# KiCad board TRS80IJP_1.kicad_pcb (continued)
## Routing (per net, layer and track width the routed paths; a pad name or vN(x,y) marks a point on that pad's centre or on a via; arc(x,y) is an arc through that point) (continued)
  Bottom w0.25: v1(135.77,118.98) 135.82,118.93 v1(135.82,92.6) ; v1(100.84,121.14) 98.47,123.51 98.47,123.53 98.42,123.58 72.47,123.57 JP10.1 ; v1(177.58,81.21) 176.6,80.23 176.6,71.88 174.28,69.56 174.28,69.02 174.29,69.01 174.29,57.44 173.51,56.66 v1(173.51,50.36)
Net-(JP10-Pin_2): length 18.9
  Top w0.25: Z5.4 59.33,115.47 v1(59.44,115.47)
  Bottom w0.25: v1(59.44,115.47) 58.07,116.84 58.07,120.82 JP10.2
  Bottom w1.5: 61.19,126.48 JP10.2
Net-(Q1-B): length 27.6
  Bottom w1.5: R10.2 R9.2 45.02,134.17 R8.1 45.02,144.62 39.77,149.87 39.77,151.24 Q1.3
Net-(Q1-C): length 19.1
  Bottom w1.5: Q1.2 37.21,149.36 34.75,149.36 34.76,149.35 C3.1 C4.1
Net-(Q1-E): length 19.7
  Bottom w1.5: J2.4 38.58,169.39 38.58,161 38.56,160.98 37.69,160.39 34.67,158.44 Q1.1 34.72,156.98 R6.1
Net-(Q2-B): length 13.8
  Bottom w1.5: C43.1 45.08,129.01 R11.2 40.38,129.07 39.82,128.51 Q2.3
Net-(Q2-C): length 10.1
  Bottom w1.5: R10.1 37.27,131.63 37.28,131.62 Q2.2
Net-(Q3-B): length 168.9
  Bottom w1.5: 159.34,164.25 159.34,151.46 160.54,150.26 219.79,150.26 220.93,151.4 241.34,177.29 245.42,177.39 249.43,173.38 249.43,164.42 253.28,160.57 253.28,143.22 253.43,143.07 Z1.10 ; 159.34,164.25 157.81,165.78 R14.1 158.08,165.78 159.34,167.04 ; 159.34,164.25 159.34,167.04 ; 159.3,174.44 159.3,171.43 159.34,171.39 159.34,167.04
Net-(Q3-C): length 108
  Bottom w1.5: 164.56,154.09 162.93,155.72 162.93,168.53 163.84,169.44 R13.1 164.03,169.44 161.84,171.63
  Bottom w2: Q4.1 212.77,152.62 166.03,152.62 164.56,154.09 162.94,154.09 161.85,155.16 161.8,167.97 161.84,169.48 161.84,174.44
Net-(Q3-E): length 89.4
  Bottom w1.5: Q4.3 212.01,171.64 210.52,173.14
  Bottom w2: 166.83,164.16 R14.2 172.81,165.78 173.19,165.41 ; 166.83,164.16 167.22,164.16 167.61,164.55 171.5,164.55 ; 166.83,164.16 166.83,163.24 R15.2 172.83,163.21 173.19,162.86 ; 173.19,162.86 173.19,165.41 ; 173.19,162.86 R16.1 ; 173.19,165.41 173.19,174.33 173.3,174.44 ; 173.3,174.44 209.17,174.19 211.86,172.08 ; 173.3,174.44 164.38,174.44
Net-(Q4-E): length 208.5
  Bottom w1.5: 154.01,178.51 104.06,178.51 103.33,177.78 103.33,139.55 102.88,139.1 C10.1 S1.7 S1.6 ; 154.01,178.51 154.26,178.26 R13.2 ; 154.01,178.51 219.01,178.51 219.12,178.4 219.12,168.15 208.28,157.31 Q4.2
Net-(Q5-B): length 12.7
  Bottom w1.5: R20.2 259.78,168.29 259.8,168.31 260.79,167.32 260.79,163.99 262.6,162.18 Q5.3
Net-(Q5-C): length 8.2
  Bottom w1.5: Q5.2 260.06,161.08 258.24,162.9 258.24,165.78 257.11,165.78 R21.1
Net-(Q5-E): length 43.4
  Top w1.5: Z1.5 250.31,143.07 250.32,143.08 250.32,155.19 254.82,157.85 Q5.1
  Bottom w1.5: R17.2 252.88,177.05 254.54,175.39 254.52,175.39 254.52,162.9 257.52,159.9 Q5.1
Net-(Q6-B): length 24.7
  Bottom w1.5: Z2.11 273.33,145.63 275.92,143.03 R28.1 Q6.1
Net-(Q6-C): length 67.7
  Bottom w1: 275.9,140.44 275.47,140.44 274.96,140.95 273.98,141.97 273.3,142.61 Z2.10
  Bottom w1.5: 296.42,138.33 297.07,138.34 R29.1 301.15,140.71 303.75,140.72 314.64,140.8 R30.2 ; 296.42,138.33 294.25,138.32 ; 296.42,138.33 295.33,139.42 Q6.3 295.33,139.4 294.25,138.32 ; 294.25,138.32 286.7,138.26 284.79,140.37 284.72,140.44 275.9,140.44
Net-(Q6-E): length 353.3
  Bottom w2: Z2.12 274.69,148.17 274.7,148.17 274.7,149.68 275.87,151.17 296.72,151.29 ; Q6.2 297.87,150.09 299.09,151.31 ; Q6.2 R28.2 ; Q6.2 297.87,150.14 296.72,151.29 ; 299.09,151.31 296.72,151.29 ; 299.09,151.31 314.33,151.4 326.01,159.55 326.01,169.16 323.81,171.36 306.74,171.36 306.69,171.41 306.69,182.47 306.55,182.61 99.72,182.61 99.24,182.13 99.31,182.06 C9.1 99.31,161.93 99.32,161.92 99.32,154.86 99.31,154.87 S1.5
Net-(R17-Pad1): length 11.4
  Bottom w1.5: R24.1 257.14,179.59 R17.1
Net-(R17-Pad3): length 13.5
  Top w1.5: R18.2 250.05,173.33 249.38,174 249.38,179.54 R17.3
Net-(R23-Pad1): length 11.5
  Bottom w1.5: R25.1 265.72,170.93 266.1,171.31 266.1,179.5 R23.1
Net-(R23-Pad3): length 13.2
  Bottom w1.5: R26.2 271.93,168.44 271.18,169.19 271.18,179.5 R23.3
Net-(R54-Pad2): length 4.7
  Bottom w0.25: R54.2 294.05,53.81 292.57,52.87
Net-(R56-Pad1): length 20.1
  Top w0.25: v1(12.88,14.55) 14.65,13.97 R56.1 Y1.1
  Bottom w0.25: Z50.5 12.47,22.85 12.54,22.78 12.63,15.75 v1(12.88,14.55)
Net-(R57-Pad2): length 35.2
  Top w0.25: 20.44,9.49 18.75,9.45 18.16,8.64 12.97,8.64 10.94,10.67 R57.2
  Bottom w0.25: R57.2 6.04,11.06 5.56,11.06 4.32,12.3 4.32,17.86 7.25,20.79 7.25,25.43 Z50.4
Net-(S2-B): length 16.6
  Bottom w1.5: 390.06,149.15 390.06,145.95 394.61,141.39 R32.1
Net-(Z1--): length 30.9
  Top w0.25: 244.39,145.61 C11.1
  Top w1.5: R19.1 243.43,168.57 243.77,146.45 244.39,145.61 Z1.4
Net-(Z1-FC): length 30.5
  Top w1.8: Z1.13 253.17,150.69 252.83,150.35 252.83,138.74 250.11,136.02 244.94,136.02 244.39,136.57 v1(244.39,137.09)
  Bottom w1.8: C11.2 v1(244.39,137.09)
Net-(Z1-ILIM): length 130.3
  Top w1.5: R21.2 246.84,165.76 245.71,164.63 245.71,150.97 246.02,150.66 246.05,150.69 Z1.2
  Bottom w1.5: R15.1 156.7,149.5 157.96,148.24 220.17,148.24 227.43,155.5 227.43,156.9 236.33,165.8 R21.2
Net-(Z1-VREF): length 42.2
  Top w1.5: R18.1 245.97,173.27 241.32,170.09 241.32,141.44 242.23,140.53 Z1.6
Net-(Z2-+): length 12.4
  Top w1.5: R22.1 260.26,144.02 Z2.5
Net-(Z2--): length 49.5
  Top w0.25: Z2.4 268.21,145.63 269.4,146.82 276.08,146.82 276.24,146.81 276.3,146.76 277.34,145.72
  Top w1.5: R23.2 266.79,174.8 266.78,174.31 266.75,158.74 262.55,154.54 262.55,145.67 Z2.4
Net-(Z2-FC): length 5.5
  Top w1.5: Z2.13 277.33,148.57
Net-(Z2-ILIM): length 58.3
  Top w1.5: R29.2 286.4,140.48 285.54,140.5 284.6,142.1 284.6,143.26 284.64,143.3 284.64,150.53 279.82,155.35 271.04,155.35 266.4,150.71 Z2.2
  Bottom w1.5: R27.2 266.14,163.04 266.25,162.72 266.26,159.47 262.55,155.76 262.55,151.45 263.3,150.71 Z2.2
Net-(Z2-VREF): length 4.6
  Bottom w1.5: R22.2 Z2.6
Net-(Z3-Pin_3): length 29.1
  Top w0.25: R9.1 34.74,134.03 32.56,134.03 32.55,134.04 v1(27.16,134.04)
  Bottom w0.25: Z3.3 27.18,116.53 27.18,134.02 v1(27.16,134.04)
Net-(Z4-Q3): length 52
  Top w0.25: v1(16.95,117.64) 25.98,117.64 28.57,115.05 33.36,115.05 34.5,113.91 37.28,113.91 38.54,115.17 46.3,115.17 46.3,115.18 Z4.15
  Bottom w0.25: v1(16.95,117.64) 17.02,117.64 17.58,118.2 17.58,132.3 15.72,134.16 R3.2
Net-(Z4-~{Mr}): length 12.2
  Top w0.25: Z4.1 v1(36.11,116.32)
  Bottom w0.25: R40.1 36.11,108.83 36.11,109.6 36.1,109.61 36.1,109.96 36.11,109.97 v1(36.11,116.32)
Net-(Z4-~{Q2}): length 58.2
  Top w0.25: Z4.11 46.22,107.48 38.06,107.48 37.77,107.19 17.94,107.19 v1(15.68,109.45)
  Bottom w0.25: v1(15.68,109.45) 14.41,110.72 14.41,110.77 14.37,110.81 R5.1 14.78,126.61 16.39,128.22 16.39,130.06 15.21,131.24 14.73,131.24 R4.2
Net-(Z6-CP1..3): length 112.9
  Top w0.25: v1(75.48,118.78) 75.35,118.91 Z6.1 65.81,118.91 64.59,117.69 61.9,117.69 60.5,119.09 58.34,119.09 56.84,117.59 53.74,117.59 52.59,118.74 v1(52.59,118.84) ; v1(51.68,61.74) 43.86,61.74 43.55,62.05 41.72,62.05 41.39,61.72 37.52,61.72 36.29,60.49 Z31.13
  Bottom w0.25: v1(52.59,118.84) 53.34,118.09 53.34,108.97 53.35,108.96 53.35,105.4 52.93,104.98 52.93,104.3 52.72,104.09 52.72,92.14 53.38,91.48 53.38,85.05 49.76,81.43 49.76,72.88 48.88,72 48.88,67.21 51.68,64.41 v1(51.68,61.74) ; Z6.12 77.13,113.83 76.42,114.54 76.42,117.84 v1(75.48,118.78)
Net-(Z7-R0(1)): length 60.8
  Top w0.25: v1(80.95,96.7) 80.93,96.72 60.01,96.72 v1(59.37,96.08)
  Bottom w0.25: v1(80.95,96.7) 80.95,97.77 81.55,98.37 81.55,109.95 Z7.3 ; Z26.10 61.42,80.79 60.27,81.94 60.29,88.91 60.29,89.78 59.38,90.69 59.38,96.07 v1(59.37,96.08)
  Bottom w1.5: Z7.2 Z7.3
Net-(Z12-A->B): length 67.3
  Top w0.25: v1(166.86,57.99) 166.99,57.86 Z40.11
  Bottom w0.25: Z12.1 161.24,115.85 161.24,111.09 161.55,110.78 161.55,99.73 161.56,99.72 161.56,93.87 165.37,90.06 165.37,69.75 165.36,69.74 165.36,68.46 167.68,66.14 167.68,58.81 v1(166.86,57.99)
Net-(Z12-CE): length 251.3
  Top w0.25: v1(34.49,28.74) 29.64,28.74 28.41,29.97 Z51.3
  Bottom w0.25: v1(34.49,28.74) 34.49,40.91 37.94,44.36 37.94,50.91 37.39,51.46 37.39,63.01 35.44,64.96 35.44,71.91 37.93,74.4 37.93,120.39 39.17,121.63 41.49,121.63 46.87,127.01 52.78,127.01 56.68,130.91 76.08,130.91 77.99,129 78.29,129 78.31,129.02 109.38,129.02 111.2,127.2 161.96,127.2 168.93,120.23 168.93,116.8 Z12.19
Net-(Z13-Za): length 27.5
  Top w0.25: Z13.4 180.9,110.01 182.23,108.68 193.62,108.68 196.05,106.25 201.08,106.25 201.52,106.71 202.26,107.45 R105.1
Net-(Z13-Zb): length 26.5
  Top w0.25: Z13.7 179.88,102.39 181,103.52 200.78,103.52 202.11,104.85 R106.1
Net-(Z13-Zc): length 45.2
  Top w0.25: Z13.9 187.24,97.3 207.56,97.3 v1(207.57,97.29)
  Bottom w0.25: R102.1 204.84,114.97 204.85,114.98 207.57,112.26 v1(207.57,97.29)
Net-(Z14-Za): length 12.5
  Top w0.25: R104.1 201.45,110.05 200.19,108.79 195.56,108.79 194.34,110.01 Z14.4
Net-(Z14-Zb): length 12.5
  Top w0.25: R107.1 202.15,101.93 201.89,101.93 201.15,101.19 196.23,101.19 195.03,102.39 Z14.7
Net-(Z14-Zc): length 3.9
  Top w0.25: R108.1 202.6,99.84 201.14,99.85 Z14.9
Net-(Z14-Zd): length 17.2
  Top w0.25: Z14.12 200.25,107.47 201.39,108.61 205.25,108.61 v1(206.36,107.5)
  Bottom w0.25: v1(206.36,107.5) 206.5,107.64 206.5,111.52 205.65,112.37 204.22,112.37 204.18,112.33 202.67,112.33 202.5,112.5 R103.1
Net-(Z15-Pin_3): length 136
  Top w0.25: Z15.3 219.17,112.55 220.44,111.28 226.61,111.28 227.88,112.55 Z16.3 234.9,112.55 236.03,111.42 240.81,111.42 241.94,112.55 Z17.3 245.71,112.55 246.89,111.37 252.01,111.37 253.19,112.55 Z18.3 257.02,112.55 257.08,112.54 258.35,111.42 264.68,111.42 265.81,112.55 Z19.3 272.8,112.55 273.97,111.38 279.67,111.38 280.84,112.55 Z20.3 287.38,112.55 288.61,111.32 293.53,111.32 294.76,112.55 300.92,112.55 300.93,112.56 302.24,111.25 308.57,111.25 309.87,112.55 Z22.3
  Bottom w0.25: Z22.3 309.3,108.83 309.28,87.47 306.32,85.14 305.45,84.31 305.45,83.29 R110.2
Net-(Z15-Pin_4): length 151.3
  Top w0.25: Z15.4 218.88,110.01 220.16,108.73 226.76,108.73 228.04,110.01 Z16.4 234.7,110.01 235.97,108.74 241.08,108.74 242.35,110.01 Z17.4 245.73,110.01 247.05,108.69 252.38,108.69 253.7,110.01 Z18.4 257.07,110.01 258.4,108.68 265.16,108.68 266.49,110.01 Z19.4 272.42,110.01 273.62,108.81 280.27,108.81 281.47,110.01 Z20.4 286.9,110.01 288.18,108.73 293.99,108.73 295.27,110.01 301.1,110.01 302.36,108.75 308.87,108.75 310.28,110.16 312.87,110.16 Z22.4
  Bottom w0.25: Z20.4 283.43,109.62 283.11,109.62 281.96,108.47 281.96,108.02 281.98,108 281.98,99.61 281.64,99.27 281.64,91.03 283.16,89.51 283.16,77.5 281.98,76.32 281.98,65.84 281.52,65.38 281.27,65.38
Net-(Z15-Pin_15): length 118
  Top w0.25: R101.2 214.67,115.36 214.67,114.64 215.49,113.82 219.06,113.82 220.35,115.11 220.37,115.09 Z15.15 226.91,115.09 228.1,113.9 235.14,113.9 236.33,115.09 Z16.15 240.79,115.09 242.09,113.79 245.47,113.79 246.77,115.09 Z17.15 252.22,115.09 253.46,113.85 256.85,113.85 258.09,115.09 Z18.15 265.12,115.09 266.38,113.83 271.76,113.83 273.02,115.09 Z19.15 279.61,115.09 280.91,113.79 285.92,113.79 287.22,115.09 Z20.15 294.04,115.09 295.43,113.7 301.22,113.7 302.66,115.14 302.82,115.13 305.35,115.09 310.22,115.09 311.52,116.39 318.83,116.39 320.13,115.09 Z22.15
Net-(Z25-VCC): length 20.7
  Bottom w1.5: C19.1 25.81,103.55 27.47,101.89 31.92,97.23 ; 31.92,97.23 33.08,96.07 33.47,96.07 32.22,94.82 32.22,94.62 32.11,94.51 32.11,93.22 ; 31.92,97.23 32.11,97.04 32.11,93.22 ; 32.11,93.22 Z25.14
Net-(Z26-Pad1): length 16.5
  Bottom w0.25: Z26.1 55.05,91.26 53.63,92.68 53.63,104.69 Z5.6
Net-(Z26-Pad11): length 32.1
  Bottom w0.25: Z5.12 60.77,111.83 60.77,91.85 61.21,91.41 61.21,84.79 Z26.11
Net-(Z26-Pad13): length 17.3
  Bottom w0.25: Z26.13 65.16,90.9 65.16,101.28 Z5.8
Net-(Z27-I0c): length 101.4
  Top w0.25: v1(81.3,61.6) 81.3,61.46 79,59.16 76.73,59.16 76.64,59.08 68.05,59.08 68.04,59.07 67.63,59.48 65.53,59.48 65.22,59.17 61.34,59.17 60.97,59.54 59.29,59.54 58.95,59.2 46.94,59.2 46.02,58.28 46.02,57.79 45.02,56.79 36.34,56.79 35.18,57.95 Z31.12
  Bottom w0.25: Z6.9 79.78,104.37 79.78,99.37 78.47,98.06 78.47,95.2 79.9,93.77 79.9,83.18 79.4,82.68 79.4,79.56 Z27.11 79.47,76.69 79.47,72.09 79.26,71.88 79.26,67.76 81.3,65.72 v1(81.3,61.6)
Net-(Z27-I1b): length 38.5
  Top w0.25: Z27.6 72.69,78.16 73.02,77.82 74.5,77.82 74.53,77.85 74.57,77.85 76.85,75.57 77.95,75.57 Z27.10
  Bottom w0.25: Z27.10 76.31,77.31 76.31,88.92 75.86,89.37 75.86,96.82 77.94,98.9 Z6.8
Net-(Z27-Zd): length 258.5
  Top w0.25: v1(65.53,84.64) 71.79,84.64 73.09,83.34 73.09,81.6 74.25,80.44 76.14,80.44 76.58,80.88 77.82,80.88 Z27.12 ; v1(221.36,44.78) 220.19,45.95 218.57,45.95 216.78,44.16 205.54,44.16 204.45,45.25 180.28,45.25 178.59,43.56 174.22,43.56 173.65,42.99 171.23,42.99 170.51,43.71 169.1,43.71 167.42,45.39 164.23,45.39 159.15,40.31 153.61,40.31 152.21,41.71 148.47,41.71 v1(147.99,41.23) ; v1(67.22,69.34) 68.02,70.14 73.89,70.14 75.32,68.71 92.29,68.71 93.47,69.89 101.7,69.89 102.67,68.92 107.4,68.92 111.19,72.71 118.61,72.71 123.15,77.25 129.94,77.25 131.41,78.72 133.44,78.72 134.31,77.85 137.54,77.85 139.69,80 149.03,80 151.42,77.61 v1(151.42,75.13)
  Bottom w0.25: v1(221.36,44.78) 222.57,43.57 222.57,33.76 Z62.3 ; v1(65.53,84.64) 66.59,83.58 66.59,81.82 65.15,80.38 65.15,78.82 67.22,76.75 v1(67.22,69.34) ; v1(147.99,41.23) 146.26,42.96 146.26,52.81 145.55,53.52 145.55,64.47 150.82,69.74 150.82,71.23 150.26,71.79 150.26,73.97 v1(151.42,75.13)
Net-(Z28-R0(1)): length 28.5
  Top w0.25: Z26.12 63.55,85.87 67.35,89.66 72.41,89.66 72.7,89.95 76.05,89.95 76.4,89.6 80.59,89.6 81.43,90.44 83.64,90.44 84.68,89.4 84.68,89.26 Z28.2
  Bottom w1: Z28.3 Z28.2
Net-(Z29-I1b): length 41.3
  Top w0.25: v1(121.22,81.87) 112.58,81.87 111.13,83.33 Z29.13 ; 100.86,78.25 103.61,78.25 104.94,76.91 109.63,76.91 112.2,74.34 112.2,74.33 112.23,74.3 116.56,74.3 116.67,74.41 R48.2
  Bottom w0.25: R48.2 117.45,75.49 118.07,76.11 118.06,76.12 118.06,79.83 120.1,81.87 v1(121.22,81.87)
Net-(Z30-I1): length 100.2
  Top w0.25: Z67.3 304.34,32.45 305.75,33.87 309.78,33.87 309.83,33.92 312.35,33.92 313.08,33.19 317.17,33.19 318.03,32.33 318.05,32.35 325.54,32.35 v1(325.67,32.21)
  Bottom w0.25: v1(325.67,32.21) 330.07,39 330.07,68.7 327.99,70.31 328.15,74.5 332.78,79.02 334.53,80.72 342.1,80.83 342.95,81.68 342.95,84.39 344.09,85.53 344.09,89.32 344.04,89.37 344.04,89.95 344.94,90.86 346.13,90.86
Net-(Z30-I2): length 85.1
  Top w0.25: Z67.11 316.13,29.91 316.58,29.46 317.59,29.46 317.94,29.81 322.97,29.81 v1(323.12,29.65)
  Bottom w0.25: v1(323.12,29.65) 325.71,30.52 331.21,37.82 330.94,65.63 332.99,67.68 338.21,67.68 343.96,73.43 343.96,84.21 345.53,85.78 346.13,85.78
Net-(Z30-I3): length 92.1
  Top w0.25: v1(323.1,24.61) 322.99,24.73 315.62,24.73 315.42,24.75 313.93,26.05 303.94,25.96 303.8,25.96 303.21,25.95 301.48,25.97 Z67.6
  Bottom w0.25: v1(323.1,24.61) 323.12,25.94 323.14,25.97 323.46,26.36 332.17,36.77 331.93,65.23 333.62,66.92 338.87,66.92 344.56,72.61 344.56,79.13 346.13,80.7
Net-(Z30-I4): length 90
  Top w0.25: v1(348.59,78.16) 348.6,78.16 353.75,78.16 ; v1(323.12,22.51) 322.88,22.48 323.09,22.48 v1(323.12,22.51) ; v1(323.12,22.51) 322.41,22.29 Z67.8
  Bottom w0.25: v1(323.12,22.51) 325.35,23.54 325.43,26.46 325.43,26.6 332.94,36.43 332.82,64.96 333.88,66.02 338.85,66.02 348.59,75.76 v1(348.59,78.16)
Net-(Z31-Pad6): length 7.6
  Top w0.25: Z31.9 Z31.6
Net-(Z32-Pad1): length 14.2
  Bottom w0.25: Z32.6 38.26,51.98 38.26,61.55 39.74,63.03 Z32.1
Net-(Z32-Pad2): length 18.2
  Top w0.25: v1(44.92,59.22) 44.79,59.09 41.31,59.09 Z32.2
  Bottom w0.25: Z32.8 44.92,50.4 v1(44.92,59.22)
Net-(Z32-Pad10): length 10.2
  Top w0.25: Z32.4 Z32.11
  Bottom w1.5: Z32.10 Z32.11
Net-(Z33-Pad12): length 28.2
  Bottom w0.25: Z52.13 64.51,34.38 64.51,36.49 62.05,38.95 62.05,45.64 61.13,46.56 61.13,56.27 Z33.12
Net-(Z35-R0(1)): length 65.9
  Top w0.25: Z35.3 85.45,57.72 80.51,57.72 79.4,56.61 76.82,56.61 76.07,55.86 74.24,55.86 73.56,56.54 68.92,56.54 68.77,56.69 67.29,56.69 66.81,56.21 65.3,56.21 64.9,56.61 61.11,56.61 60.24,57.48 v1(60.24,57.85) ; Z26.2 58.82,88.41 v1(58.83,88.39)
  Bottom w0.25: v1(58.83,88.39) 58.83,67.04 61.04,64.83 61.04,58.65 v1(60.24,57.85)
  Bottom w1: Z35.3 Z35.2
Net-(Z39-Za): length 32.1
  Top w0.25: Z58.14 151.18,29.97 v1(150.73,30.42)
  Bottom w0.25: Z58.11 Z58.12 153.98,26.26 153.98,28.6 Z58.14 ; Z39.7 149.79,45.83 149.79,31.36 v1(150.73,30.42)
Net-(Z39-Zb): length 39.1
  Top w0.25: Z58.5 150.25,24.89 150.44,24.7 150.46,24.7 Z58.10
  Bottom w0.25: Z39.9 157.13,43.57 157.13,21.59 Z58.10
  Bottom w1: Z58.5 Z58.4
Net-(Z40-Pad2): length 35.3
  Top w0.25: v1(185.92,59.15) 183.65,56.88 175.72,56.88 173.54,59.06 164.26,59.06 Z40.4
  Bottom w0.25: Z41.8 185.84,59.23 v1(185.92,59.15) ; Z40.2 164.65,61.35 164.65,59.45 Z40.4
Net-(Z40-Pad9): length 39.6
  Top w0.25: v1(187.22,52.9) 187.22,52.62 186.7,52.1 171.92,52.1 171.24,52.78 Z40.9
  Bottom w0.25: v1(187.22,52.9) 186.54,51.75 183.79,47.26 183.76,37.46 184.37,36.85 184.37,34 Z60.12
Net-(Z44-Pad3): length 17.6
  Top w0.25: Z45.3 267.69,60.49 266.28,59.07 261.12,59.07 259.62,57.57 257.56,57.57 254.64,60.49
Net-(Z44-Pad11): length 29.9
  Bottom w0.25: 262.06,32.48 257.92,35.41 257.92,37.56 259.84,39.48 259.84,49.49 260.59,50.24 260.68,50.15 260.68,56.9 261.73,57.95 262.26,57.95
Net-(Z45-Pad1): length 37.4
  Top w0.25: v1(270.73,74.21) 271.34,74.82 277.6,74.82 278.5,73.92 283.99,73.92 v1(284.22,74.15)
  Bottom w0.25: v1(284.22,74.15) 283.48,68.6 283.24,66.98 283.24,62.2 Z46.3 ; v1(270.73,74.21) 270.86,74.08 270.59,72.67 270.28,70.75 269.8,65.57
Net-(Z45-Pad12): length 30.6
  Top w0.25: Z47.3 296.73,60.49 295.36,59.12 291.53,59.12 290.8,59.85 290.8,61.27 290.81,61.27 292.57,63.03 287.87,63.03 286.57,61.73 281.86,61.73 280.43,60.3 280.25,60.49 277.42,60.49
Net-(Z46-Pad2): length 376.4
  Top w0.25: v1(287.42,52.75) 286.23,51.56 283.9,51.56 281.94,49.6 280.09,49.6 279.57,50.12 279.57,50.8 278.92,51.45 260.51,51.45 260.17,51.11 258.14,51.11 255.93,48.9 253.59,48.9 v1(250.65,50.28) ; v1(251.78,11.93) 236.17,11.93 231.35,7.11 220.3,7.11 v1(220.01,7.4) ; v1(26.73,10.21) 35.44,10.21 v1(36.92,8.73) ; v1(133.19,3.34) 131.97,4.56 109.45,4.56 107.58,2.69 96.39,2.69 95.65,3.43 88.06,3.43 86.57,1.94 73.45,1.94 73.06,2.33 37.24,2.33 36.47,3.1 v1(26.72,3.1) ; v1(38.27,31.26) 36.1,31.32 34.04,30.59 Z51.12
  Bottom w0.25: v1(26.72,3.1) 26.72,10.2 v1(26.73,10.21) ; v1(220.01,7.4) 220.01,3.41 218.56,1.96 185.2,1.96 184.61,1.37 135.16,1.37 v1(133.19,3.34) ; v1(36.92,8.73) 36.53,9.12 36.53,14.12 35.51,15.14 35.51,23.97 36.76,25.22 36.76,27.98 38.27,29.49 v1(38.27,31.26) ; v1(287.42,52.75) 287.42,61.54 285.94,63.03 284.95,63.03 ; v1(250.65,50.28) 250.65,44.67 252.71,42.61 252.71,41.63 252.68,41.6 252.68,30.08 253.02,29.74 253.02,26.18 252.66,25.82 252.66,21.77 251.78,20.89 v1(251.78,11.93)
Net-(Z47-Pad12): length 14.1
  Bottom w0.25: 307.86,63.03 Z47.12 309.56,58.79 309.56,52.03 Z47.8
Net-(Z50-Pad10): length 140.8
  Top w0.25: v1(105.83,8.86) 104.49,7.52 98.74,7.52 97.35,8.91 87.32,8.91 86.97,8.56 81.86,8.56 81.26,9.16 73.37,9.16 70.05,5.84 39.56,5.84 38.52,6.88 34.39,6.88 32.94,8.33 26.1,8.33 24.82,9.61 23.25,9.61 20.54,6.9 v1(18.04,6.9) ; v1(106.14,27.42) 106.13,27.43 Z55.4
  Bottom w0.25: v1(18.04,6.9) 18.84,7.7 18.84,24.08 18.03,24.89 Z50.10 ; Z55.12 106.14,27.81 v1(106.14,27.42) 106.14,9.17 v1(105.83,8.86)
Net-(Z52-Pad3): length 2.5
  Bottom w0.25: Z52.4 Z52.3
Net-(Z52-Pad6): length 7.6
  Top w0.25: Z52.6 Z52.9
Net-(Z52-Pad11): length 9.6
  Top w0.25: Z52.11 58.03,27.43 v1(57.41,28.05)
  Bottom w0.25: v1(57.41,28.05) 57.41,27.28 Z52.5
Net-(Z53B-~{R}): length 9.3
  Bottom w0.25: Z53.13 79.7,30.79 79.7,26.86 R66.2
Net-(Z56-Q0): length 9.3
  Top w0.25: Z55.13 108.65,32.51 108.88,32.74 116.05,32.74 116.28,32.51 Z56.2
Net-(Z56-Q1): length 20.3
  Top w0.25: v1(114.74,22.25) 114.64,22.35 Z55.9 ; Z55.10 Z55.5
  Bottom w0.25: Z55.9 Z55.10 ; Z56.7 114.94,22.25 v1(114.74,22.25)
Net-(Z56-~{Q0}): length 18
  Top w0.25: Z56.3 117.1,29.69 111.1,29.69 109.65,31.14 102.05,31.14 Z55.2
Net-(Z56-~{Q2}): length 35.7
  Top w0.25: Z56.11 124.02,22.35 122.83,23.54 115.75,23.54 115.45,23.84 113.81,23.84 113.12,23.15 110.92,23.15 110.42,23.65 v1(103.4,23.65)
  Bottom w0.25: v1(103.4,23.65) 102.87,24.18 102.87,33.57 101.39,35.05 Z55.1
Net-(Z57-Qh): length 49.9
  Top w0.25: Z57.13 140.21,27.43 138.53,25.75 136.04,25.75 135.77,26.02 123.7,26.02 123.1,25.42 120.8,25.42 120.2,26.02 114.92,26.02 114.06,26.88 111.64,26.88 110.93,26.17 107.14,26.17 106.75,25.78 104.46,25.78 104.06,26.18 94.45,26.18 Z54.11
Net-(Z58-Qh): length 64.4
  Top w0.25: Z54.12 93.37,29.8 94.11,29.8 95.89,28.02 98.35,28.02 98.95,28.62 103.9,28.62 104.19,28.91 106.75,28.91 106.99,28.67 120.96,28.67 121.28,28.99 123.28,28.99 123.68,28.59 136.06,28.59 136.34,28.87 138.33,28.87 138.63,28.57 148.8,28.57 149.94,27.43 Z58.13
Net-(Z60-Pad1): length 13.9
  Bottom w0.25: Z60.6 176.83,26.3 176.83,36.25 178.16,37.58 Z60.1
Net-(Z61A-E): length 63.2
  Top w0.25: Z61.1 205.6,37.53 v1(205.51,37.62) ; v1(206.35,31.73) 206.94,31.14 207.11,31.14 207.12,31.15 211.68,31.15 212.05,30.78 214.32,30.78 214.6,31.06 220.3,31.06 222.8,28.56 227.7,28.56 230.26,26 232.95,26 235.54,28.59 240.82,28.59 241.08,28.85 245.03,28.85 245.33,28.55 249.35,28.55 253.28,32.48 254.44,32.48
  Bottom w0.25: v1(205.51,37.62) 205.51,32.57 v1(206.35,31.73)
Net-(Z61A-O3): length 27.4
  Top w0.25: v1(219.71,21.17) 219.51,20.97 213.8,20.97 212.48,22.29 Z61.7
  Bottom w0.25: v1(219.71,21.17) 219.71,25.82 218.4,27.13 218.4,34.17 217.58,34.99 Z61.15
Net-(Z62A-D): length 329.9
  Top w0.25: v1(10.32,8.02) 10.32,7.64 14.12,3.84 19.51,3.84 20.92,5.25 31.78,5.25 32.94,4.09 36.77,4.09 37.53,3.33 70.9,3.33 74.38,6.81 76.54,6.81 79.74,3.61 85.81,3.6 85.81,3.58 87.92,5.45 88.42,5.91 95.74,5.89 97.12,4.42 106.68,4.42 109.27,7.01 117.06,7.01 117.41,6.66 130.76,6.66 132.47,8.37 141.12,8.37 143.64,10.89 159.71,10.89 164.1,6.99 167.47,6.98 169.04,8.55 169.08,12.52 169.51,12.92 170.96,13.79 173.53,15.01 177.94,15 180.57,12.37 180.57,7.33 183.04,4.86 200.17,4.86 200.68,5.37 200.68,9.94 202.01,11.27 223.06,11.27 v1(224.71,9.62) ; Z51.11 28.6,27.43 27.4,28.63 23.16,28.63 22.28,29.51 22.28,30.91 22.3,30.93 21.54,31.69 19.09,31.69 18.55,31.15 v1(6.7,31.15)
  Bottom w0.25: v1(6.7,31.15) 6.61,31.15 5.93,30.47 5.93,21.85 3.16,19.08 3.16,10.83 5.08,8.91 9.43,8.91 v1(10.32,8.02) ; Z62.2 225.69,33.18 225.69,10.6 v1(224.71,9.62)
Net-(Z62B-D): length 66.4
  Top w0.25: Z66.4 281.66,29.91 280.11,28.36 265.79,28.36 263.39,25.96 263.37,25.98 259.48,25.98 258.97,25.47 256.73,25.47 256.18,26.02 252.29,26.02 250.96,24.69 250.82,24.83 Z63.9 241.7,24.83 240.51,26.02 v1(235.5,26.02)
  Bottom w0.25: Z62.12 232.03,32.98 232.19,32.98 233.57,34.36 235.43,34.36 236.15,33.64 236.15,26.67 v1(235.5,26.02)
Net-(Z62B-~{Q}): length 58.7
  Top w0.25: Z62.8 233.05,22.29 233.84,21.5 236.01,21.5 237.98,23.47 263.55,23.47 264.94,22.08 267.21,22.08 268.69,20.6 278.91,20.6 279.68,21.37 279.64,22.95 279.64,22.97 281.5,24.83 Z66.6
Net-(Z62B-~{R}): length 48.4
  Top w0.25: v1(234.3,37.53) Z63.1 244.38,37.53 Z63.13 250.9,34.99 252.14,36.23 v1(259.5,36.23)
  Bottom w0.25: v1(234.3,37.53) 234.04,37.53 Z62.13 ; v1(259.5,36.23) 259.5,37.65 261.28,39.43 261.28,48.86 261.27,48.87 261.27,49.34 262.26,50.33
  Bottom w1: Z63.2 Z63.1
Net-(Z63A-Q): length 11.2
  Top w0.25: Z63.5 243.82,27.37 243.95,27.24 244.05,27.24 v1(244.35,27.54)
  Bottom w0.25: v1(244.35,27.54) 244.34,27.55 244.34,29.87 Z63.12
Net-(Z64-Pad13): length 19.3
  Top w0.25: Z64.13 Z64.2
  Bottom w0.25: Z64.6 256.3,26.72 256.3,33.16 Z64.2
Net-(Z65-Q3): length 34.8
  Top w0.25: Z66.14 287.57,32.45 287.26,32.47 286.18,33.57 285.94,33.59 283.48,33.61 281.07,36.12 280.28,36.13 275.78,36.16 275.47,36.33 v1(275.17,36.63)
  Bottom w0.25: v1(275.17,36.63) 275.05,36.51 275.05,24.78 277.4,22.43 Z65.8

## Copper pours and planes (outline as drawn; the poured copper is in the pictures)
+5V on Top: 273.05,70.08 274.23,68.92 277.08,68.89 277.87,69.43 314.7,69.33 315.17,68.87 315.18,65.26 314.81,64.59 313.56,64.6 313.17,64.95 313.15,66.69 312.71,67.15 309.08,67.15 308.61,65.65 307.07,65.6 306.71,67.15 297.88,67.12 297.14,65.51 295.81,65.49 295.36,67.13 293.87,67.1 293.29,65.44 291.79,65.53 291.53,67.14 284.44,67.18 283.52,67.62 276.22,67.71 275.7,67.27 263.58,67.31 262.99,65.72 261.56,65.67 260.98,67.28 259.45,67.25 259.45,67.25 253.77,67.27 252.69,67.97 252.71,69.02 253.55,70.1
+5V on Top: 393.04,98.66 393.64,97.98 393.64,93.16 393.09,92.53 353.77,92.77 353.09,93.26 353.16,93.88 351.92,95.49 346.14,95.5 342.14,91.77 330.79,91.79 323.73,84.62 319.67,84.63 318.9,85.1 318.94,87.63 319.27,88.01 320.36,88.02 322.37,88.03 328.32,94.12 340.46,94.04 345.13,97.45 352.63,97.53 354.11,96.21 386.17,95.99 389.52,98.71
